# KiCad board kim-1.kicad_pcb (continued)
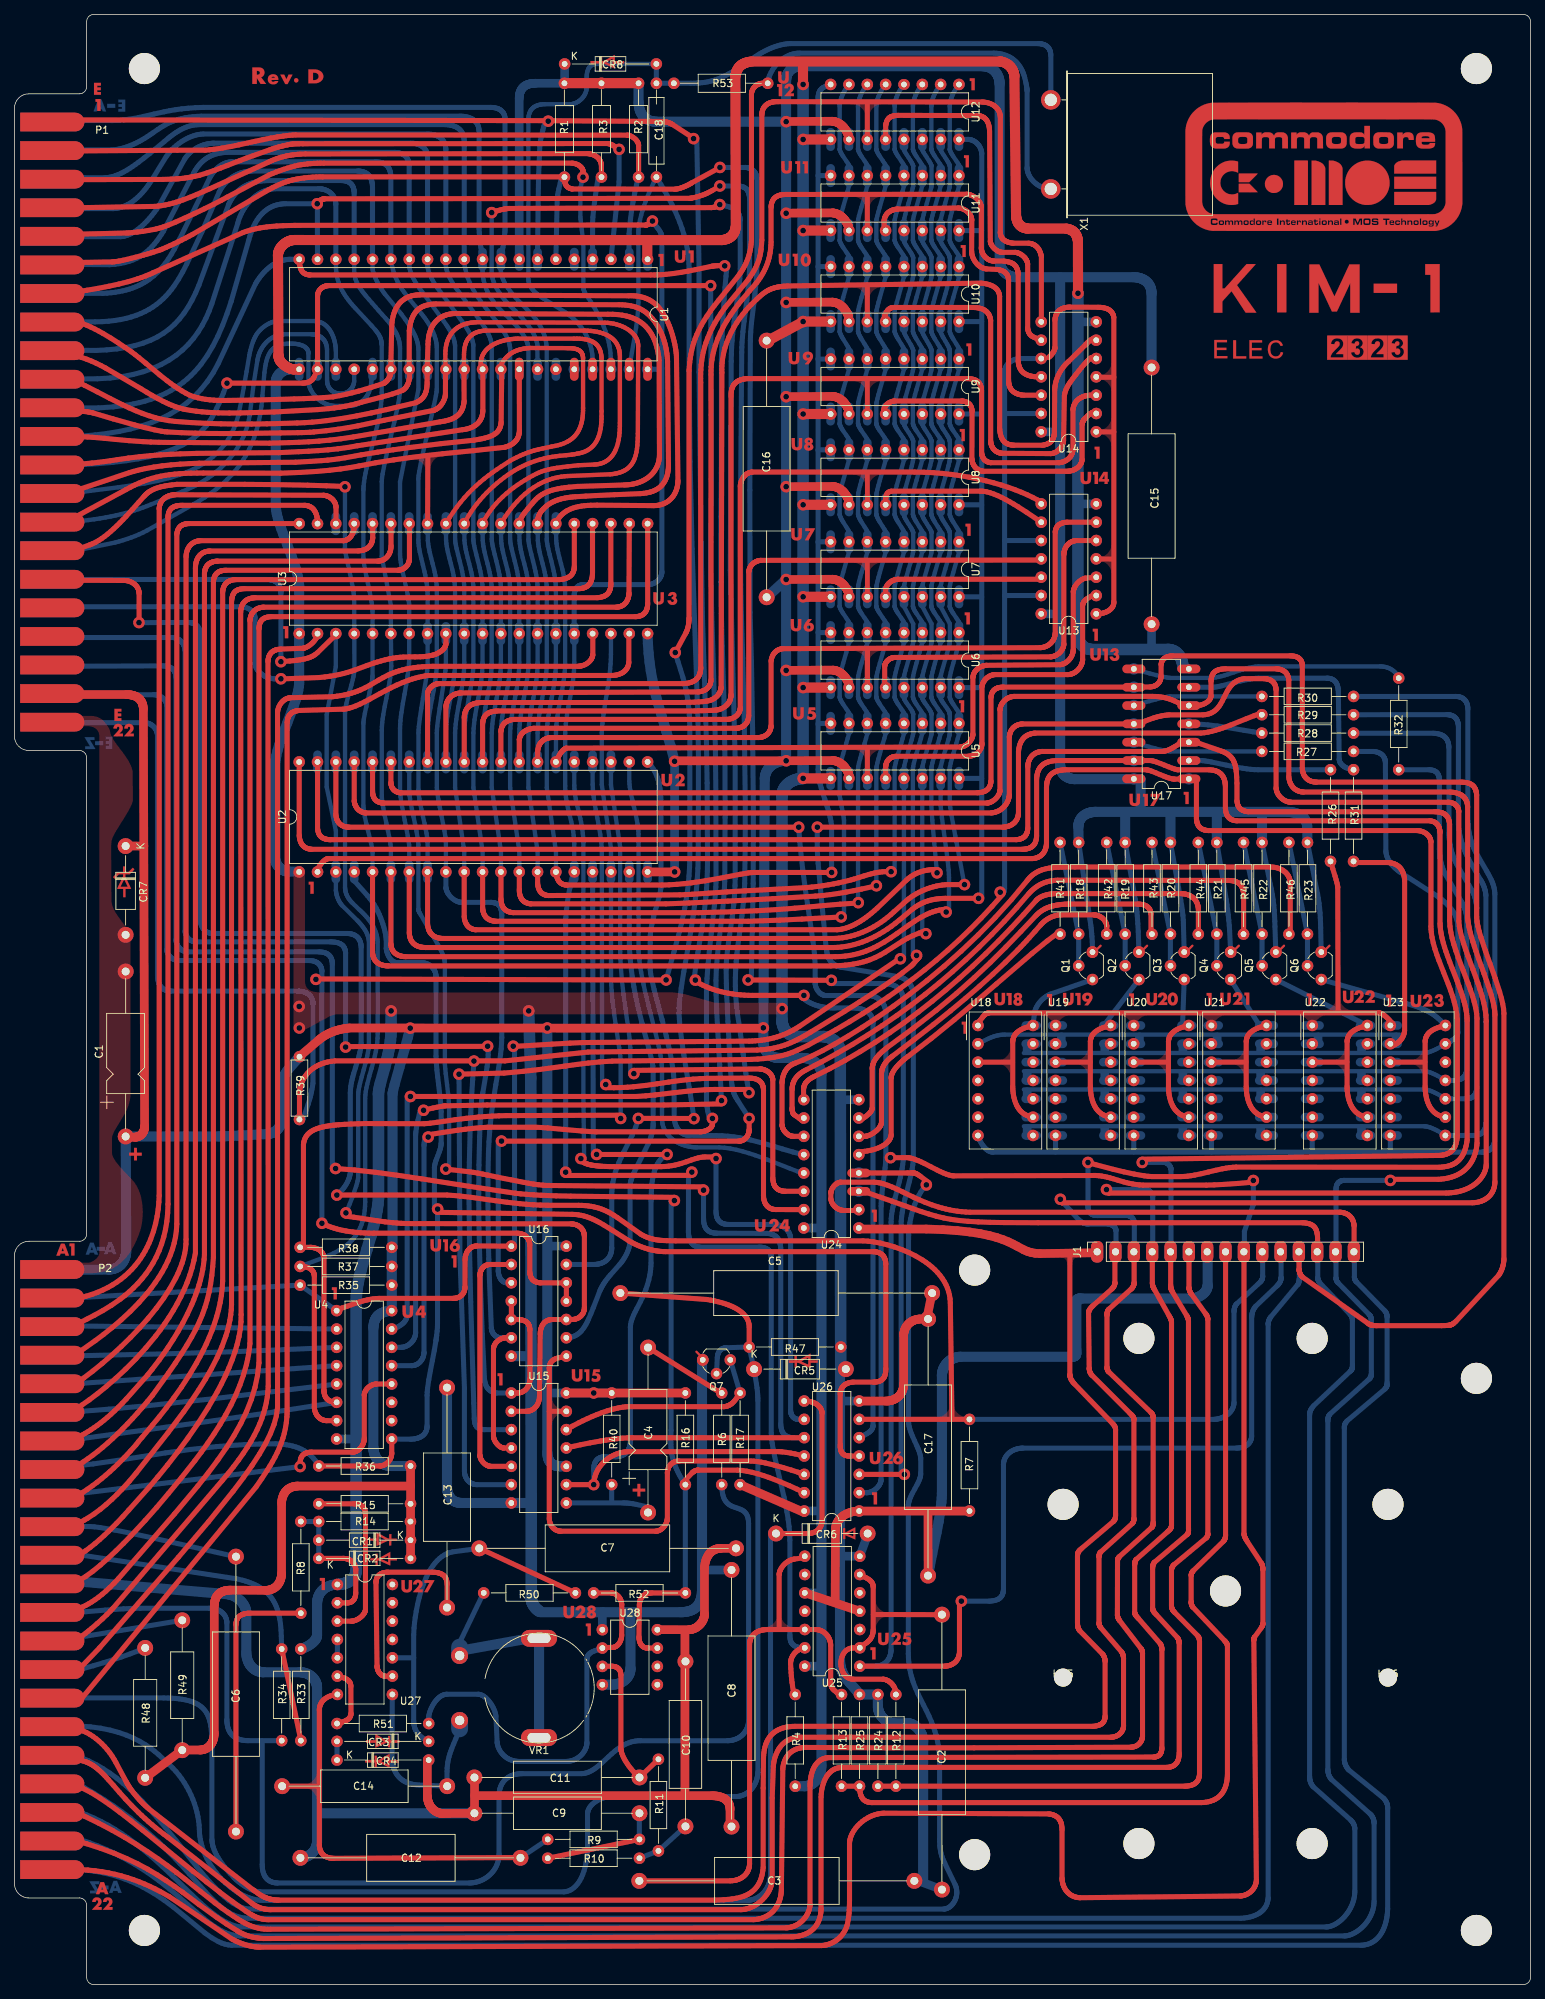
[diagram p0: board, top side]
## Routing (per net, layer and track width the routed paths; a pad name or vN(x,y) marks a point on that pad's centre or on a via; arc(x,y) is an arc through that point) (continued)
/A11: length 297
  Top w0.7: 56.66,121.16 57.05,121.25 57.97,121.46 58.49,121.57 58.99,121.67 59.42,121.74 59.59,121.76 59.72,121.76 65.47,121.88 89.97,121.88 97.95,122.03 ; 39.45,239.08 39.46,238.89 39.47,238.69 39.48,238.5 39.51,238.31 39.54,238.12 39.59,237.94 39.65,237.77 39.68,237.69 39.72,237.61 39.76,237.53 39.81,237.46 39.86,237.39 39.91,237.32 39.97,237.26 40.04,237.2 40.11,237.15 40.18,237.1 40.26,237.06 40.35,237.02 40.44,236.98 40.53,236.96 40.64,236.93 40.75,236.92 40.86,236.9 40.98,236.9 88.13,236.9 88.65,236.9 89.18,236.91 89.7,236.94 90.23,236.98 91.27,237.1 92.31,237.25 93.34,237.44 94.37,237.64 96.43,238.07 96.55,238.09 96.67,238.12 96.79,238.13 96.91,238.15 97.16,238.17 97.4,238.19 97.9,238.21 98.15,238.22 98.39,238.24
  Bottom w0.7: 56.21,121.15 56.12,120.75 55.9,119.8 55.78,119.24 55.68,118.68 55.6,118.17 55.58,117.94 55.57,117.75 55.57,90.39 55.56,90.29 55.56,90.19 55.54,90.09 55.53,89.99 55.5,89.89 55.47,89.8 55.44,89.7 55.41,89.61 55.36,89.52 55.32,89.43 55.27,89.35 55.21,89.26 55.16,89.18 55.09,89.1 55.03,89.02 54.96,88.95 54.89,88.88 54.81,88.81 54.74,88.75 54.66,88.68 54.57,88.63 54.49,88.57 54.4,88.53 54.31,88.48 54.21,88.44 54.12,88.4 54.02,88.37 53.92,88.35 53.82,88.33 53.72,88.31 53.62,88.3 53.51,88.3 52.23,88.3 ; 98.71,238.21 98.56,236.74 98.42,235.18 98.3,233.54 98.19,231.86 98.02,228.47 97.92,225.25 97.92,214.84 97.91,209.44 97.85,203.38 97.86,194.34 97.92,190 98.04,185.49 98.29,177.49 98.42,169.62 98.44,161.73 98.39,153.69 98.38,152.84 98.35,152.02 98.24,150.42 98.09,148.85 97.91,147.3 97.53,144.14 97.36,142.48 97.22,140.73 97.17,139.13 97.19,137.19 97.27,134.98 97.39,132.57 97.68,127.47 97.94,122.48 ; 7.52,214.47 9.38,214.57 11.17,214.73 12.89,214.94 14.52,215.22 16.09,215.56 17.58,215.96 18.99,216.44 20.32,217 21.58,217.64 22.77,218.35 23.87,219.16 24.9,220.06 25.85,221.05 26.72,222.14 27.52,223.33 28.23,224.63 33.39,235.67 33.56,235.94 33.74,236.22 33.94,236.51 34.16,236.79 34.39,237.07 34.64,237.35 34.91,237.62 35.2,237.87 35.51,238.11 35.66,238.22 35.83,238.33 36,238.43 36.17,238.53 36.35,238.62 36.53,238.7 36.72,238.78 36.91,238.85 37.1,238.91 37.3,238.96 37.51,239 37.72,239.03 37.93,239.06 38.15,239.07 39.43,239.07
  vias: v1(56.67,121.15) v1(97.94,122.49) v1(98.38,238.16)
/A12: length 298.3
  Top w0.7: 41.99,223.86 41.98,234 41.99,234.07 41.99,234.14 42,234.21 42.02,234.28 42.03,234.34 42.05,234.41 42.08,234.47 42.11,234.54 42.14,234.6 42.17,234.66 42.2,234.72 42.24,234.78 42.28,234.83 42.33,234.89 42.38,234.94 42.43,234.99 42.48,235.03 42.53,235.08 42.59,235.12 42.65,235.16 42.71,235.2 42.77,235.24 42.84,235.27 42.91,235.3 42.98,235.32 43.05,235.35 43.12,235.37 43.19,235.39 43.27,235.4 43.35,235.41 43.43,235.42 43.51,235.42 96.44,235.42 ; 96.69,120.02 96.69,119.22 96.68,119.16 96.66,119.11 96.64,119.05 96.62,119 96.59,118.95 96.56,118.9 96.53,118.85 96.49,118.8 96.41,118.71 96.32,118.63 96.22,118.55 96.1,118.47 95.98,118.41 95.85,118.35 95.72,118.3 95.57,118.26 95.42,118.22 95.27,118.19 95.12,118.17 94.96,118.17 80.64,118.17 79.67,118.2 78.55,118.28 76.13,118.49 73.87,118.7 72.96,118.76 72.27,118.79 65.5,118.79 64.47,118.73 63.44,118.64 62.41,118.52 61.38,118.38 59.32,118.07 57.25,117.74 ; 42.01,223.84 41.52,222.81 41.49,222.73 41.45,222.65 41.4,222.57 41.34,222.49 41.27,222.41 41.19,222.34 41.11,222.27 41.01,222.2 40.91,222.14 40.79,222.08 40.67,222.03 40.53,221.99 40.39,221.96 40.23,221.93 40.07,221.92 39.9,221.91 29.46,221.91
  Bottom w0.7: 96.43,235.41 96.51,217.53 96.51,208.61 96.46,199.92 96.44,197.75 96.46,195.38 96.58,190.13 96.95,177.86 97.09,171.49 97.15,165.12 97.18,152.83 97.15,152.09 97.1,151.28 96.95,149.53 96.52,145.61 96.28,143.53 96.08,141.45 95.93,139.4 95.88,138.4 95.85,137.43 95.85,122.79 95.86,122.59 95.86,122.4 95.88,122.2 95.89,122.02 95.93,121.66 95.98,121.31 96.05,120.97 96.12,120.65 96.2,120.33 96.28,120.02 ; 6.87,210.54 9.32,210.62 11.57,210.75 13.62,210.93 15.48,211.16 17.16,211.42 18.67,211.73 20.03,212.08 21.24,212.47 22.32,212.89 23.28,213.34 24.13,213.83 24.87,214.35 25.53,214.89 26.11,215.47 26.63,216.07 27.08,216.69 27.39,217.2 27.7,217.79 28.02,218.44 28.34,219.12 28.65,219.82 28.94,220.53 29.2,221.23 29.43,221.91 ; 52.23,85.76 55.01,85.76 55.11,85.76 55.21,85.77 55.3,85.79 55.4,85.81 55.49,85.84 55.57,85.87 55.66,85.9 55.74,85.94 55.82,85.98 55.89,86.03 55.96,86.08 56.03,86.13 56.1,86.19 56.16,86.25 56.22,86.31 56.27,86.38 56.33,86.45 56.38,86.52 56.42,86.59 56.47,86.66 56.51,86.74 56.55,86.82 56.58,86.89 56.61,86.97 56.66,87.13 56.7,87.29 56.72,87.45 56.73,87.53 56.73,87.61 56.73,116.24 56.74,116.42 56.76,116.62 56.78,116.83 56.8,117.03 56.86,117.49
  vias: v1(29.44,221.91) v1(57.31,117.44) v1(96.43,235.42) v1(96.68,120.02)
/A13: length 56.8
  Bottom w0.6: U1.23 44.52,226.4 44.51,226.59 44.5,226.79 44.48,226.98 44.45,227.17 44.42,227.36 44.38,227.55 44.34,227.74 44.29,227.92 44.24,228.1 44.18,228.27 44.11,228.44 44.04,228.61 43.96,228.77 43.88,228.93 43.79,229.08 43.7,229.23 43.61,229.37 43.5,229.5 43.39,229.63 43.28,229.75 43.16,229.86 43.04,229.97 42.91,230.06 42.78,230.15 42.64,230.23 42.5,230.3 42.36,230.36 42.2,230.41 42.05,230.46 41.89,230.49 41.72,230.51 41.55,230.51 36.57,230.51 36.44,230.51 36.32,230.5 36.2,230.48 36.08,230.46 35.96,230.43 35.84,230.4 35.72,230.36 35.6,230.32 35.48,230.27 35.37,230.22 35.26,230.17 35.14,230.11 34.93,229.98 34.72,229.85 34.51,229.7 34.32,229.54 34.14,229.38 33.98,229.21 33.82,229.04 33.69,228.87 33.56,228.7 33.46,228.53 33.37,228.38 33.29,228.22 33.21,228.06 33.14,227.89 33.07,227.72 33.01,227.55 32.89,227.19 32.78,226.83 32.69,226.47 32.6,226.11 32.53,225.75 32.15,223.5 31.77,221.33 31.39,219.29 31.01,217.42 30.73,216.5 30.4,215.65 30.02,214.85 29.6,214.11 29.13,213.43 28.62,212.8 28.06,212.22 27.47,211.68 26.84,211.19 26.17,210.74 25.47,210.33 24.75,209.96 23.2,209.31 21.56,208.79 19.83,208.36 18.04,208.01 14.32,207.46 10.53,206.99 8.65,206.73 6.8,206.44
/A14: length 63.3
  Bottom w0.6: 7.54,202.65 8.48,202.74 9.38,202.83 10.24,202.93 11.07,203.04 11.87,203.17 12.63,203.3 13.36,203.44 14.06,203.58 14.74,203.74 15.39,203.91 16.02,204.08 16.63,204.27 17.22,204.46 17.79,204.66 18.34,204.87 18.88,205.09 21.8,206.27 23.27,206.89 23.99,207.21 24.72,207.54 25.18,207.77 25.68,208.05 26.22,208.37 26.79,208.74 27.37,209.16 27.97,209.63 28.57,210.15 29.16,210.73 29.74,211.36 30.29,212.05 30.8,212.79 31.28,213.59 31.5,214.01 31.7,214.45 31.89,214.9 32.06,215.37 32.22,215.85 32.36,216.35 32.48,216.86 32.58,217.39 33.16,222 33.65,225.07 33.69,225.27 33.74,225.47 33.79,225.66 33.85,225.85 33.91,226.03 33.98,226.21 34.06,226.38 34.15,226.55 34.24,226.71 34.33,226.86 34.43,227.01 34.54,227.16 34.65,227.3 34.76,227.43 34.88,227.56 35,227.68 35.13,227.79 35.26,227.9 35.39,228 35.53,228.1 35.67,228.18 35.81,228.26 35.96,228.34 36.1,228.41 36.25,228.47 36.41,228.52 36.56,228.57 36.71,228.61 36.87,228.64 37.03,228.66 37.18,228.68 37.34,228.68 41.12,228.68 41.26,228.68 41.39,228.67 41.52,228.65 41.64,228.63 41.76,228.6 41.87,228.57 41.98,228.54 42.09,228.5 42.18,228.45 42.28,228.41 42.37,228.36 42.45,228.3 42.53,228.24 42.61,228.18 42.68,228.11 42.75,228.04 42.81,227.97 42.87,227.89 42.93,227.82 42.98,227.74 43.03,227.65 43.07,227.56 43.11,227.48 43.14,227.39 43.18,227.29 43.2,227.2 43.25,227 43.28,226.8 43.3,226.59 43.3,222.23 43.31,222.09 43.33,221.95 43.36,221.8 43.41,221.65 43.47,221.5 43.54,221.35 43.58,221.28 43.63,221.21 43.68,221.14 43.74,221.07 43.8,221.01 43.86,220.94 43.93,220.88 44,220.83 44.07,220.77 44.15,220.72 44.24,220.67 44.32,220.63 44.42,220.59 44.51,220.56 44.62,220.53 44.72,220.5 44.83,220.48 44.95,220.46 45.07,220.45 45.2,220.45 45.32,220.46 45.44,220.47 45.55,220.49 45.66,220.51 45.76,220.54 45.86,220.57 45.96,220.6 46.05,220.64 46.13,220.69 46.21,220.73 46.29,220.79 46.37,220.84 46.44,220.9 46.5,220.96 46.56,221.02 46.62,221.08 46.67,221.15 46.72,221.22 46.77,221.29 46.81,221.36 46.85,221.43 46.89,221.51 46.95,221.65 46.99,221.8 47.03,221.95 47.05,222.09 47.06,222.23 47.06,223.82
/A15: length 68.3
  Bottom w0.6: 49.6,223.82 49.43,222.23 49.42,221.93 49.38,221.63 49.32,221.33 49.23,221.03 49.13,220.74 49.07,220.6 49,220.46 48.93,220.32 48.85,220.19 48.76,220.06 48.67,219.93 48.58,219.81 48.48,219.69 48.37,219.58 48.25,219.48 48.13,219.38 48.01,219.28 47.88,219.19 47.74,219.11 47.59,219.04 47.44,218.97 47.29,218.91 47.12,218.86 46.95,218.82 46.78,218.79 46.59,218.77 46.4,218.76 44.32,218.76 44.14,218.77 43.96,218.79 43.78,218.82 43.61,218.87 43.44,218.92 43.27,218.98 43.11,219.05 42.94,219.12 42.79,219.2 42.63,219.29 42.48,219.39 42.34,219.49 42.2,219.6 42.06,219.71 41.93,219.83 41.81,219.95 41.69,220.08 41.57,220.21 41.36,220.47 41.18,220.75 41.1,220.89 41.02,221.03 40.96,221.17 40.9,221.31 40.85,221.45 40.81,221.59 40.77,221.73 40.74,221.87 40.73,222 40.72,222.14 40.72,226.02 40.72,226.09 40.71,226.16 40.7,226.23 40.69,226.3 40.67,226.36 40.65,226.42 40.62,226.48 40.59,226.54 40.56,226.59 40.53,226.65 40.49,226.7 40.44,226.75 40.4,226.8 40.35,226.84 40.24,226.93 40.12,227 39.99,227.07 39.84,227.14 39.68,227.19 39.51,227.24 39.33,227.29 39.13,227.32 38.93,227.36 38.72,227.37 38.51,227.38 38.29,227.38 38.08,227.38 37.86,227.37 37.65,227.36 37.44,227.33 37.23,227.31 37.03,227.27 36.85,227.23 36.67,227.18 36.51,227.11 36.35,227.04 36.21,226.96 36.07,226.87 35.94,226.78 35.82,226.68 35.71,226.57 35.61,226.45 35.51,226.33 35.42,226.2 35.34,226.07 35.19,225.79 35.07,225.5 34.97,225.2 34.88,224.89 34.81,224.58 34.75,224.26 34.7,223.96 34.63,223.37 34.35,220.19 34.29,219.45 34.21,218.74 34.12,218.04 34,217.37 33.87,216.72 33.73,216.1 33.57,215.49 33.39,214.91 33.19,214.34 32.98,213.8 32.76,213.27 32.52,212.76 32.27,212.27 32.01,211.8 31.73,211.34 31.44,210.9 31.14,210.48 30.83,210.07 30.51,209.67 30.17,209.29 29.48,208.56 28.74,207.88 27.98,207.24 27.18,206.64 26.36,206.08 25.52,205.54 18.34,201.48 17.81,201.2 17.27,200.96 16.72,200.73 16.18,200.52 15.62,200.32 15.07,200.14 14.51,199.98 13.94,199.82 7.2,198.43
/AUD_H: length 181.9
  Bottom w0.7: 34.32,33.76 34.32,16.64 34.33,16.4 34.34,16.16 34.37,15.93 34.42,15.7 34.48,15.48 34.55,15.27 34.6,15.17 34.65,15.07 34.7,14.98 34.76,14.89 34.83,14.8 34.9,14.72 34.97,14.64 35.05,14.56 35.14,14.49 35.23,14.43 35.32,14.36 35.43,14.31 35.53,14.26 35.65,14.21 35.77,14.17 35.89,14.14 36.03,14.11 36.17,14.09 36.31,14.08 36.46,14.07 63.01,14.07 63.2,14.08 63.39,14.1 63.59,14.12 63.78,14.16 63.97,14.2 64.15,14.25 64.34,14.31 64.52,14.38 64.7,14.45 64.88,14.54 65.05,14.63 65.22,14.73 65.38,14.83 65.54,14.95 65.69,15.07 65.84,15.19 65.98,15.33 66.11,15.47 66.24,15.62 66.36,15.78 66.48,15.94 66.58,16.11 66.68,16.28 66.77,16.46 66.85,16.65 66.92,16.84 66.98,17.04 67.03,17.25 67.07,17.46 67.1,17.67 67.12,17.89 67.12,18.12 67.12,26.33 67.14,26.49 67.15,26.65 67.18,26.81 67.21,26.97 67.24,27.12 67.29,27.26 67.33,27.4 67.39,27.54 67.45,27.67 67.52,27.8 67.59,27.92 67.67,28.03 67.75,28.15 67.84,28.25 67.94,28.35 68.04,28.45 68.14,28.54 68.25,28.63 68.37,28.71 68.49,28.78 68.62,28.85 68.75,28.92 68.89,28.97 69.03,29.03 69.17,29.07 69.32,29.11 69.48,29.15 69.64,29.17 69.81,29.2 69.98,29.21 70.15,29.22 70.33,29.23 78.54,29.23 78.79,29.24 79.04,29.29 79.29,29.35 79.53,29.44 79.76,29.55 80,29.67 80.23,29.81 80.45,29.97 80.68,30.14 80.9,30.32 81.35,30.7 82.25,31.54 82.72,31.96 83.2,32.37 83.45,32.57 83.7,32.75 83.96,32.93 84.23,33.09 84.5,33.24 84.79,33.38 85.08,33.5 85.38,33.6 85.69,33.68 86.02,33.74 86.35,33.78 86.69,33.79 98.77,33.79 98.93,33.8 99.09,33.81 99.25,33.83 99.4,33.86 99.55,33.89 99.7,33.93 99.84,33.98 99.97,34.03 100.1,34.09 100.23,34.15 100.35,34.22 100.47,34.3 100.58,34.38 100.69,34.47 100.79,34.56 100.89,34.65 100.98,34.75 101.07,34.85 101.15,34.96 101.23,35.07 101.3,35.19 101.37,35.31 101.43,35.43 101.48,35.55 101.53,35.68 101.57,35.81 101.61,35.94 101.64,36.08 101.66,36.22 101.68,36.36 101.69,36.5 101.69,36.64 101.69,63.88 101.67,64.19 101.64,64.47 101.59,64.71 101.51,64.92 101.43,65.11 101.33,65.28 101.21,65.42 101.09,65.54 100.95,65.64 100.81,65.73 100.65,65.81 100.49,65.88 100.16,66 99.81,66.12 99.47,66.25 99.3,66.32 99.14,66.41 98.98,66.51 98.83,66.63 98.68,66.77 98.55,66.92 98.43,67.11 98.31,67.31 98.22,67.55 98.13,67.82 98.06,68.13 98.02,68.47 97.98,68.85 97.97,69.27 ; 37.03,33.8 32.42,33.8 32.23,33.8 32.05,33.81 31.88,33.83 31.71,33.85 31.55,33.88 31.39,33.91 31.24,33.95 31.1,33.99 30.96,34.04 30.83,34.1 30.7,34.16 30.58,34.23 30.47,34.31 30.36,34.39 30.26,34.47 30.16,34.56 30.07,34.66 29.99,34.76 29.91,34.87 29.84,34.98 29.77,35.1 29.71,35.22 29.65,35.35 29.61,35.48 29.56,35.62 29.53,35.76 29.49,35.91 29.47,36.07 29.45,36.23 29.44,36.39 29.43,36.56 29.43,36.73 29.43,50.14 29.42,50.25 29.41,50.37 29.39,50.48 29.36,50.58 29.34,50.69 29.3,50.79 29.26,50.88 29.22,50.98 29.17,51.07 29.11,51.16 29.06,51.24 28.99,51.32 28.93,51.4 28.85,51.48 28.78,51.55 28.7,51.62 28.61,51.68 28.53,51.74 28.43,51.8 28.34,51.85 28.24,51.9 28.14,51.94 28.03,51.98 27.92,52.02 27.81,52.05 27.69,52.08 27.46,52.12 27.21,52.14 26.95,52.15 17.45,52.15 16.33,52.12 15.13,52.07 12.56,51.89 9.88,51.67 7.26,51.47
/AUD_L: length 49.8
  Top w0.7: 37.03,46.5 39.68,33.8
  Bottom w0.7: 37.01,46.47 36.96,48.25 36.93,49.11 36.86,49.92 36.75,50.66 36.68,51.02 36.6,51.36 36.51,51.69 36.41,52 36.3,52.31 36.17,52.6 36.04,52.87 35.89,53.14 35.73,53.4 35.56,53.64 35.37,53.87 35.17,54.1 34.96,54.31 34.73,54.51 34.49,54.7 34.24,54.88 33.97,55.06 33.68,55.22 33.38,55.37 33.06,55.52 32.73,55.66 32.38,55.78 32.01,55.9 31.63,56.02 30.81,56.22 7.23,59.82
/AUDIN: length 23.4
  Bottom w0.7: 30.68,59.29 19.21,61.87 16.39,62.48 13.89,62.99 11.85,63.33 11.06,63.43 10.43,63.47 7.69,63.47
/B: length 113.2
  Bottom w0.6: 139.82,129.09 195.28,129.09 195.38,129.09 195.48,129.1 195.7,129.14 195.93,129.21 196.17,129.29 196.41,129.38 196.65,129.49 196.89,129.61 197.12,129.72 197.55,129.96 197.89,130.16 198.2,130.36
  Bottom w0.7: 185.47,170.87 188.17,170.87 188.34,170.86 188.5,170.84 188.66,170.8 188.81,170.76 188.96,170.71 189.1,170.64 189.16,170.6 189.23,170.56 189.29,170.52 189.35,170.47 189.41,170.42 189.46,170.37 189.52,170.32 189.57,170.26 189.61,170.2 189.66,170.14 189.7,170.08 189.73,170.01 189.77,169.94 189.8,169.86 189.82,169.79 189.85,169.71 189.86,169.63 189.88,169.54 189.89,169.45 189.89,169.36 189.96,157.09 189.97,156.9 190,156.71 190.04,156.52 190.1,156.33 190.18,156.14 190.27,155.94 190.38,155.75 190.5,155.55 190.64,155.36 190.79,155.17 190.95,154.99 191.13,154.8 191.32,154.62 191.53,154.45 191.74,154.28 191.97,154.12 197.1,150.81 197.4,150.59 197.68,150.37 197.95,150.14 198.21,149.91 198.46,149.67 198.69,149.42 198.91,149.18 199.1,148.92 199.28,148.66 199.44,148.4 199.58,148.14 199.7,147.86 199.75,147.73 199.79,147.59 199.83,147.45 199.86,147.31 199.89,147.17 199.91,147.03 199.92,146.88 199.93,146.74 199.93,132.04 199.92,131.94 199.91,131.84 199.9,131.74 199.87,131.66 199.84,131.57 199.81,131.49 199.77,131.41 199.72,131.34 199.67,131.27 199.62,131.21 199.56,131.15 199.5,131.09 199.43,131.03 199.37,130.98 199.3,130.93 199.23,130.88 199.08,130.8 198.93,130.72 198.79,130.65 198.65,130.58 198.4,130.47 198.29,130.41 198.2,130.36
  Bottom w1.2: 172.61,130.35 172.61,129.4 ; 161.84,130.35 161.84,129.4 ; 140.27,130.35 140.27,129.4 ; 151.02,130.35 151.02,129.4 ; 186.58,130.35 186.58,129.4
/C: length 131.2
  Bottom w0.6: 198.2,122.75 197.89,122.95 197.54,123.16 197.12,123.4 196.89,123.52 196.65,123.63 196.4,123.74 196.16,123.84 195.92,123.92 195.7,123.98 195.48,124.02 195.38,124.03 195.28,124.03 139.82,124.03
  Bottom w0.7: 198.2,122.75 201.19,122.75 201.27,122.76 201.35,122.76 201.43,122.77 201.51,122.79 201.59,122.81 201.66,122.83 201.72,122.85 201.79,122.88 201.85,122.91 201.91,122.95 201.97,122.99 202.02,123.03 202.07,123.07 202.12,123.12 202.17,123.17 202.21,123.22 202.25,123.27 202.29,123.33 202.32,123.39 202.36,123.45 202.39,123.51 202.41,123.58 202.46,123.72 202.49,123.86 202.52,124.01 202.54,124.17 202.54,124.33 202.54,149.22 202.51,149.52 202.48,149.81 202.45,149.96 202.43,150.11 202.4,150.25 202.36,150.4 202.32,150.55 202.28,150.7 202.23,150.85 202.18,150.99 202.12,151.14 202.06,151.29 201.99,151.44 201.91,151.59 200.18,154.53 199.98,154.85 199.81,155.17 199.65,155.49 199.5,155.81 199.37,156.13 199.25,156.45 199.14,156.76 199.04,157.07 198.96,157.39 198.89,157.7 198.84,158.01 198.79,158.32 198.75,158.63 198.73,158.94 198.71,159.25 198.71,159.56 198.69,171.4 198.68,171.53 198.67,171.66 198.66,171.78 198.64,171.9 198.61,172.01 198.58,172.12 198.55,172.22 198.51,172.32 198.47,172.41 198.42,172.49 198.38,172.58 198.32,172.65 198.26,172.73 198.2,172.8 198.14,172.86 198.07,172.92 197.99,172.98 197.92,173.03 197.84,173.08 197.76,173.12 197.67,173.16 197.58,173.2 197.39,173.26 197.19,173.31 196.98,173.35 196.76,173.38 196.52,173.4 185.46,173.4
  Bottom w1.2: 161.84,123.72 161.84,122.75 ; 151.02,123.72 151.02,122.75 ; 172.61,123.72 172.61,122.75 ; 140.27,123.72 140.27,122.75 ; 186.58,123.72 186.58,122.75
/COLA: length 528.5
  Top w0.7: 7.68,20.17 9.95,19.53 12,18.86 13.85,18.17 15.53,17.46 17.06,16.73 18.46,15.98 19.76,15.21 20.99,14.42 22.16,13.61 23.3,12.79 25.58,11.08 28.03,9.31 29.37,8.4 30.83,7.47 31.06,7.33 31.29,7.2 31.53,7.08 31.76,6.97 31.99,6.88 32.21,6.79 32.44,6.72 32.67,6.65 32.9,6.6 33.12,6.55 33.35,6.51 33.57,6.47 33.79,6.44 34.02,6.41 34.47,6.38 107.62,6.61 107.87,6.62 108.11,6.64 108.34,6.67 108.56,6.7 108.78,6.75 108.99,6.8 109.19,6.86 109.38,6.93 109.57,7 109.75,7.08 109.92,7.17 110.08,7.27 110.24,7.37 110.39,7.49 110.53,7.6 110.66,7.73 110.79,7.86 110.91,8 111.02,8.14 111.12,8.29 111.21,8.44 111.3,8.61 111.38,8.77 111.45,8.95 111.51,9.12 111.57,9.31 111.61,9.5 111.65,9.69 111.68,9.89 111.7,10.09 111.72,10.3 111.72,10.51 111.72,25.99 111.75,26.38 111.79,26.77 111.86,27.15 111.94,27.51 112.04,27.87 112.17,28.2 112.32,28.52 112.48,28.82 112.58,28.96 112.67,29.09 112.78,29.21 112.89,29.33 113,29.44 113.12,29.55 113.24,29.64 113.38,29.73 113.51,29.81 113.66,29.88 113.8,29.94 113.96,29.99 114.12,30.03 114.28,30.06 114.46,30.08 114.63,30.09 159.55,30.09 159.67,30.1 159.79,30.1 159.91,30.12 160.02,30.13 160.12,30.16 160.22,30.19 160.32,30.22 160.41,30.26 160.49,30.3 160.57,30.34 160.65,30.39 160.72,30.45 160.78,30.5 160.85,30.56 160.9,30.63 160.96,30.7 161.01,30.77 161.05,30.84 161.09,30.92 161.13,30.99 161.17,31.08 161.2,31.16 161.23,31.24 161.25,31.33 161.29,31.51 161.31,31.7 161.33,31.88 161.33,32.08 161.33,47.29 161.33,47.34 161.33,47.4 161.32,47.45 161.32,47.5 161.31,47.56 161.3,47.61 161.29,47.66 161.27,47.71 161.25,47.76 161.23,47.81 161.21,47.85 161.19,47.9 161.16,47.95 161.13,47.99 161.1,48.04 161.07,48.08 158.18,51.24 158.06,51.36 157.96,51.47 157.92,51.53 157.87,51.58 157.83,51.63 157.8,51.68 157.77,51.73 157.74,51.78 157.71,51.84 157.7,51.87 157.69,51.89 157.69,51.92 157.68,51.95 157.67,51.98 157.66,52.01 157.66,52.05 157.65,52.08 157.65,52.11 157.65,52.15 157.65,57.68 157.65,57.77 157.65,57.84 157.66,57.91 157.67,57.98 157.68,58.05 157.69,58.11 157.71,58.16 157.73,58.22 157.75,58.27 157.77,58.31 157.79,58.36 157.82,58.4 157.84,58.44 157.87,58.48 157.9,58.51 157.93,58.54 162.42,62.35 162.44,62.37 162.46,62.39 162.48,62.42 162.5,62.44 162.52,62.47 162.53,62.49 162.54,62.52 162.56,62.54 162.57,62.57 162.58,62.6 162.59,62.65 162.61,62.71 162.61,62.77 162.62,62.83 162.62,62.88 162.62,62.94 162.62,63 162.62,63.23 162.62,91.94 162.62,91.99 162.61,92.05 162.6,92.1 162.6,92.15 162.58,92.21 162.57,92.26 162.55,92.31 162.54,92.36 162.52,92.41 162.5,92.46 162.47,92.51 162.45,92.56 162.42,92.61 162.4,92.65 162.37,92.7 162.34,92.74 160.39,96.02 160.35,96.08 160.31,96.14 160.28,96.2 160.26,96.25 160.24,96.3 160.22,96.35 160.2,96.4 160.19,96.45 160.18,96.49 160.17,96.54 160.17,96.59 160.16,96.65 160.16,96.71 160.16,96.77 160.15,96.92 160.15,101.55 ; 41.98,154.17 41.98,154.63 42.31,155.08 42.4,155.2 42.49,155.32 42.58,155.43 42.68,155.53 42.78,155.64 42.88,155.73 42.98,155.81 43.08,155.88 43.13,155.91 43.19,155.94 43.24,155.97 43.29,155.99 43.35,156 43.4,156.02 43.46,156.02 43.51,156.03 140.99,156.03 141.17,156.04 141.34,156.07 141.52,156.11 141.61,156.14 141.69,156.17 141.78,156.21 141.86,156.25 141.95,156.29 142.03,156.34 142.1,156.39 142.18,156.45 142.25,156.51 142.32,156.58 142.39,156.65 142.46,156.72 142.52,156.8 142.58,156.88 142.63,156.97 142.69,157.06 142.73,157.16 142.78,157.26 142.82,157.37 142.85,157.48 142.88,157.6 142.9,157.72 142.92,157.84 142.94,157.97 142.95,158.11 142.95,158.25 142.95,165.9 142.96,166.18 142.98,166.32 143,166.45 143.02,166.58 143.04,166.7 143.08,166.82 143.11,166.93 143.15,167.04 143.2,167.15 143.25,167.25 143.31,167.34 143.37,167.44 143.43,167.52 143.51,167.61 143.58,167.69 143.67,167.76 143.76,167.83 143.85,167.89 143.95,167.96 144.06,168.01 144.17,168.06 144.29,168.11 144.41,168.15 144.54,168.19 144.68,168.23 144.82,168.26 144.97,168.28 145.13,168.3 145.29,168.32 145.46,168.33 145.64,168.34 156.75,168.34 156.83,168.33 156.91,168.32 157.1,168.27 157.32,168.21 157.55,168.13 158.08,167.92 158.65,167.68 159.22,167.44 159.51,167.33 159.78,167.24 160.04,167.15 160.29,167.09 160.51,167.05 160.61,167.04 160.71,167.04 163.72,167.08 163.72,161.64 163.72,161.53 163.73,161.43 163.74,161.33 163.76,161.23 163.77,161.14 163.79,161.05 163.82,160.96 163.85,160.88 163.88,160.8 163.91,160.73 163.95,160.66 163.99,160.59 164.03,160.52 164.08,160.46 164.13,160.4 164.18,160.35 164.24,160.3 164.3,160.25 164.36,160.2 164.42,160.16 164.49,160.12 164.56,160.09 164.64,160.06 164.71,160.03 164.79,160 164.87,159.98 164.95,159.96 165.04,159.94 165.22,159.92 165.41,159.91 194.3,159.91 194.47,159.9 194.64,159.87 194.81,159.84 194.98,159.78 195.14,159.72 195.29,159.65 195.44,159.56 195.58,159.46 195.65,159.41 195.71,159.35 195.77,159.29 195.83,159.23 195.88,159.16 195.93,159.1 195.98,159.03 196.02,158.95 196.06,158.88 196.09,158.8 196.12,158.72 196.15,158.64 196.17,158.56 196.19,158.47 196.2,158.38 196.2,158.29 196.2,146.62 196.21,146.24 196.25,145.86 196.36,145.08 196.53,144.3 196.75,143.51 197.02,142.71 197.31,141.9 197.95,140.27 198.6,138.62 198.91,137.79 199.19,136.96 199.44,136.12 199.64,135.29 199.78,134.46 199.86,133.63 199.86,117.69 199.84,117.37 199.8,117.07 199.74,116.79 199.67,116.53 199.63,116.4 199.58,116.28 199.53,116.17 199.48,116.06 199.42,115.95 199.36,115.85 199.29,115.75 199.21,115.66 199.13,115.57 199.05,115.49 198.96,115.41 198.86,115.34 198.76,115.28 198.66,115.21 198.54,115.16 198.42,115.11 198.3,115.06 198.17,115.02 198.03,114.98 197.89,114.95 197.74,114.93 197.58,114.91 197.41,114.9 197.24,114.89 156.18,114.37
  Bottom w0.7: 160.2,101.54 160.2,112.96 160.2,113 160.19,113.04 160.19,113.09 160.18,113.13 160.16,113.17 160.15,113.22 160.13,113.26 160.11,113.3 160.09,113.34 160.06,113.39 160.04,113.43 160.01,113.47 159.98,113.5 159.95,113.54 159.88,113.61 159.81,113.68 159.78,113.71 159.74,113.74 159.7,113.77 159.66,113.79 159.62,113.82 159.58,113.84 159.53,113.86 159.49,113.87 159.45,113.89 159.4,113.9 159.36,113.91 159.32,113.92 159.28,113.92 159.23,113.92 156.21,113.92
  vias: v1(156.21,113.92)
/COLB: length 553.2
  Top w0.7: 148.72,113.91 149.75,113.62 152.2,112.97 153.66,112.62 155.12,112.3 156.46,112.07 157.05,112 157.56,111.96 161.57,111.96 162.03,111.98 162.5,112.02 162.98,112.08 163.46,112.16 164.42,112.37 165.39,112.6 166.36,112.83 167.33,113.04 167.81,113.13 168.29,113.2 168.76,113.25 169.23,113.28 197.37,113.25 197.69,113.28 198,113.31 198.31,113.36 198.62,113.43 198.93,113.53 199.08,113.58 199.22,113.65 199.36,113.72 199.51,113.8 199.64,113.88 199.78,113.98 199.91,114.08 200.03,114.2 200.15,114.32 200.27,114.46 200.38,114.61 200.49,114.76 200.59,114.93 200.69,115.11 200.78,115.31 200.86,115.52 200.94,115.74 201.01,115.97 201.07,116.22 201.13,116.48 201.18,116.76 201.22,117.05 201.22,133.56 201.21,133.88 201.18,134.2 201.15,134.52 201.1,134.85 201.04,135.18 200.96,135.52 200.88,135.86 200.79,136.21 200.58,136.91 200.35,137.62 200.09,138.35 199.82,139.08 199.14,140.83 198.8,141.71 198.48,142.59 198.27,143.17 198.08,143.76 197.91,144.33 197.77,144.89 197.7,145.17 197.64,145.45 197.59,145.72 197.55,145.99 197.52,146.26 197.49,146.52 197.47,146.79 197.46,147.04 197.46,159.62 197.46,159.71 197.45,159.81 197.44,159.9 197.42,159.99 197.4,160.07 197.38,160.16 197.36,160.24 197.34,160.31 197.31,160.38 197.28,160.45 197.25,160.52 197.21,160.58 197.17,160.64 197.13,160.7 197.09,160.75 197.05,160.8 197,160.85 196.95,160.9 196.9,160.94 196.85,160.98 196.79,161.02 196.73,161.05 196.67,161.09 196.61,161.12 196.54,161.14 196.48,161.17 196.41,161.19 196.34,161.21 196.19,161.24 196.04,161.27 169.35,161.27 169.23,161.27 169.1,161.29 168.99,161.31 168.88,161.33 168.78,161.36 168.68,161.39 168.59,161.43 168.51,161.47 168.43,161.52 168.36,161.57 168.29,161.62 168.23,161.68 168.17,161.74 168.11,161.8 168.06,161.87 168.02,161.94 167.98,162.01 167.94,162.08 167.91,162.15 167.88,162.23 167.83,162.38 167.79,162.54 167.76,162.7 167.74,162.85 167.73,163.01 167.73,163.16 167.73,166.07 167.72,166.22 167.71,166.35 167.69,166.49 167.67,166.62 167.65,166.74 167.62,166.86 167.59,166.97 167.55,167.08 167.51,167.18 167.46,167.28 167.41,167.37 167.36,167.46 167.3,167.55 167.23,167.63 167.17,167.7 167.1,167.77 167.02,167.84 166.94,167.9 166.86,167.96 166.78,168.01 166.69,168.06 166.59,168.1 166.5,168.14 166.4,168.18 166.29,168.21 166.18,168.24 166.07,168.26 165.96,168.28 165.72,168.31 165.47,168.33 161.19,168.33 161.04,168.35 160.85,168.4 160.63,168.46 160.39,168.54 159.85,168.75 159.28,168.98 158.71,169.21 158.18,169.41 157.94,169.49 157.72,169.55 157.53,169.59 157.38,169.61 144.46,169.61 144.16,169.6 143.88,169.57 143.61,169.53 143.35,169.47 143.22,169.43 143.1,169.39 142.98,169.35 142.87,169.3 142.76,169.24 142.65,169.18 142.55,169.11 142.45,169.04 142.36,168.97 142.27,168.88 142.18,168.8 142.11,168.7 142.03,168.6 141.96,168.5 141.9,168.38 141.84,168.26 141.79,168.14 141.74,168.01 141.7,167.87 141.66,167.72 141.63,167.57 141.61,167.41 141.59,167.24 141.58,167.06 141.58,159.2 141.57,159.01 141.55,158.82 141.52,158.65 141.48,158.48 141.42,158.31 141.39,158.23 141.35,158.16 141.31,158.08 141.26,158.01 141.21,157.94 141.16,157.88 141.1,157.82 141.04,157.76 140.97,157.7 140.9,157.65 140.82,157.6 140.73,157.55 140.64,157.51 140.55,157.47 140.44,157.43 140.34,157.4 140.22,157.38 140.1,157.35 139.97,157.34 139.84,157.32 139.7,157.32 139.55,157.31 41.2,157.31 41.08,157.32 40.97,157.33 40.87,157.35 40.76,157.37 40.67,157.4 40.57,157.43 40.48,157.46 40.4,157.5 40.32,157.55 40.24,157.59 40.17,157.64 40.1,157.69 40.04,157.75 39.97,157.81 39.92,157.87 39.86,157.94 39.81,158.01 39.77,158.08 39.72,158.15 39.68,158.23 39.61,158.39 39.56,158.55 39.51,158.73 39.48,158.91 39.46,159.09 39.44,159.28 39.44,169.42 ; 155.09,101.52 155.09,97.26 155.09,97.23 155.09,97.2 155.08,97.14 155.08,97.07 155.06,97.01 155.04,96.95 155.02,96.89 155,96.83 154.97,96.77 154.94,96.71 154.9,96.65 154.87,96.6 154.83,96.54 154.79,96.49 154.74,96.44 154.7,96.39 154.65,96.35 151.62,93.61 151.57,93.56 151.53,93.52 151.5,93.47 151.46,93.42 151.44,93.37 151.41,93.31 151.39,93.26 151.38,93.2 151.36,93.14 151.35,93.08 151.34,93.02 151.34,92.96 151.33,92.9 151.33,92.84 151.33,92.77 151.33,92.71 151.33,85.59 151.33,85.53 151.34,85.47 151.34,85.41 151.35,85.36 151.36,85.32 151.37,85.27 151.38,85.23 151.39,85.18 151.41,85.14 151.43,85.11 151.45,85.07 151.47,85.03 151.5,84.99 151.53,84.96 151.56,84.92 151.59,84.88 157.4,79.3 157.44,79.25 157.49,79.21 157.52,79.16 157.56,79.12 157.59,79.08 157.61,79.03 157.64,78.99 157.66,78.95 157.67,78.9 157.69,78.85 157.7,78.81 157.71,78.76 157.71,78.7 157.72,78.65 157.72,78.59 157.72,78.53 157.72,64.05 157.73,63.97 157.73,63.89 157.73,63.84 157.72,63.79 157.72,63.75 157.71,63.7 157.7,63.65 157.68,63.6 157.66,63.55 157.64,63.5 157.63,63.48 157.61,63.45 157.6,63.43 157.58,63.41 157.56,63.38 157.54,63.36 157.52,63.33 157.5,63.31 153.09,59.34 153.04,59.28 152.98,59.23 152.96,59.2 152.93,59.16 152.91,59.13 152.89,59.09 152.86,59.06 152.85,59.01 152.83,58.97 152.81,58.93 152.8,58.88 152.8,58.82 152.79,58.77 152.79,58.7 152.77,51.23 152.78,51.17 152.78,51.12 152.79,51.07 152.8,51.01 152.81,50.96 152.83,50.91 152.84,50.86 152.86,50.81 152.89,50.76 152.91,50.71 152.93,50.66 152.96,50.61 152.99,50.56 153.02,50.52 153.05,50.47 153.09,50.42 156.06,46.53 156.09,46.49 156.11,46.46 156.13,46.42 156.15,46.39 156.16,46.35 156.18,46.31 156.19,46.27 156.21,46.23 156.22,46.19 156.23,46.15 156.23,46.1 156.24,46.06 156.25,46.01 156.25,45.96 156.25,45.9 156.25,45.85 156.25,34.5 156.25,34.42 156.25,34.34 156.24,34.26 156.22,34.18 156.21,34.1 156.19,34.03 156.16,33.95 156.14,33.88 156.1,33.81 156.07,33.74 156.03,33.67 155.99,33.61 155.95,33.54 155.9,33.48 155.85,33.42 155.8,33.37 155.74,33.31 155.68,33.26 155.62,33.21 155.55,33.17 155.49,33.13 155.41,33.09 155.34,33.05 155.26,33.02 155.19,32.99 155.1,32.96 155.02,32.94 154.93,32.92 154.84,32.91 154.75,32.9 154.66,32.89 154.56,32.89 132.92,32.81 121.78,32.8 109.65,32.86 109.41,32.85 109.19,32.84 108.98,32.81 108.77,32.77 108.58,32.72 108.4,32.67 108.23,32.6 108.06,32.53 107.91,32.45 107.77,32.36 107.63,32.27 107.51,32.17 107.39,32.07 107.28,31.96 107.18,31.84 107.08,31.73 106.99,31.61 106.91,31.48 106.84,31.36 106.78,31.24 106.66,30.98 106.57,30.73 106.51,30.49 106.46,30.25 106.44,30.03 106.43,29.82 106.23,13.17 106.22,12.96 106.21,12.76 106.18,12.55 106.15,12.35 106.11,12.16 106.07,11.96 106.01,11.78 105.95,11.59 105.88,11.41 105.8,11.24 105.72,11.06 105.63,10.9 105.53,10.74 105.43,10.58 105.31,10.43 105.19,10.29 105.07,10.15 104.93,10.02 104.79,9.9 104.65,9.78 104.49,9.67 104.33,9.57 104.17,9.47 103.99,9.38 103.81,9.3 103.62,9.23 103.43,9.17 103.23,9.12 103.02,9.07 102.81,9.03 102.59,9.01 102.37,8.99 35.2,8.99 34.95,9 34.71,9.02 34.48,9.05 34.27,9.09 34.07,9.14 33.87,9.2 33.68,9.27 33.5,9.34 33.32,9.42 33.15,9.51 32.97,9.6 32.8,9.7 32.44,9.92 32.07,10.16 30.25,11.44 28.42,12.81 26.59,14.23 24.76,15.68 17.77,21.39 16.16,22.68 14.62,23.86 13.18,24.93 11.84,25.85 10.61,26.61 9.5,27.18 9,27.39 8.53,27.54 8.11,27.63 7.71,27.67